# Altium PCB ARES_R06_Power.PcbDoc (part 2 of 4) (continued)
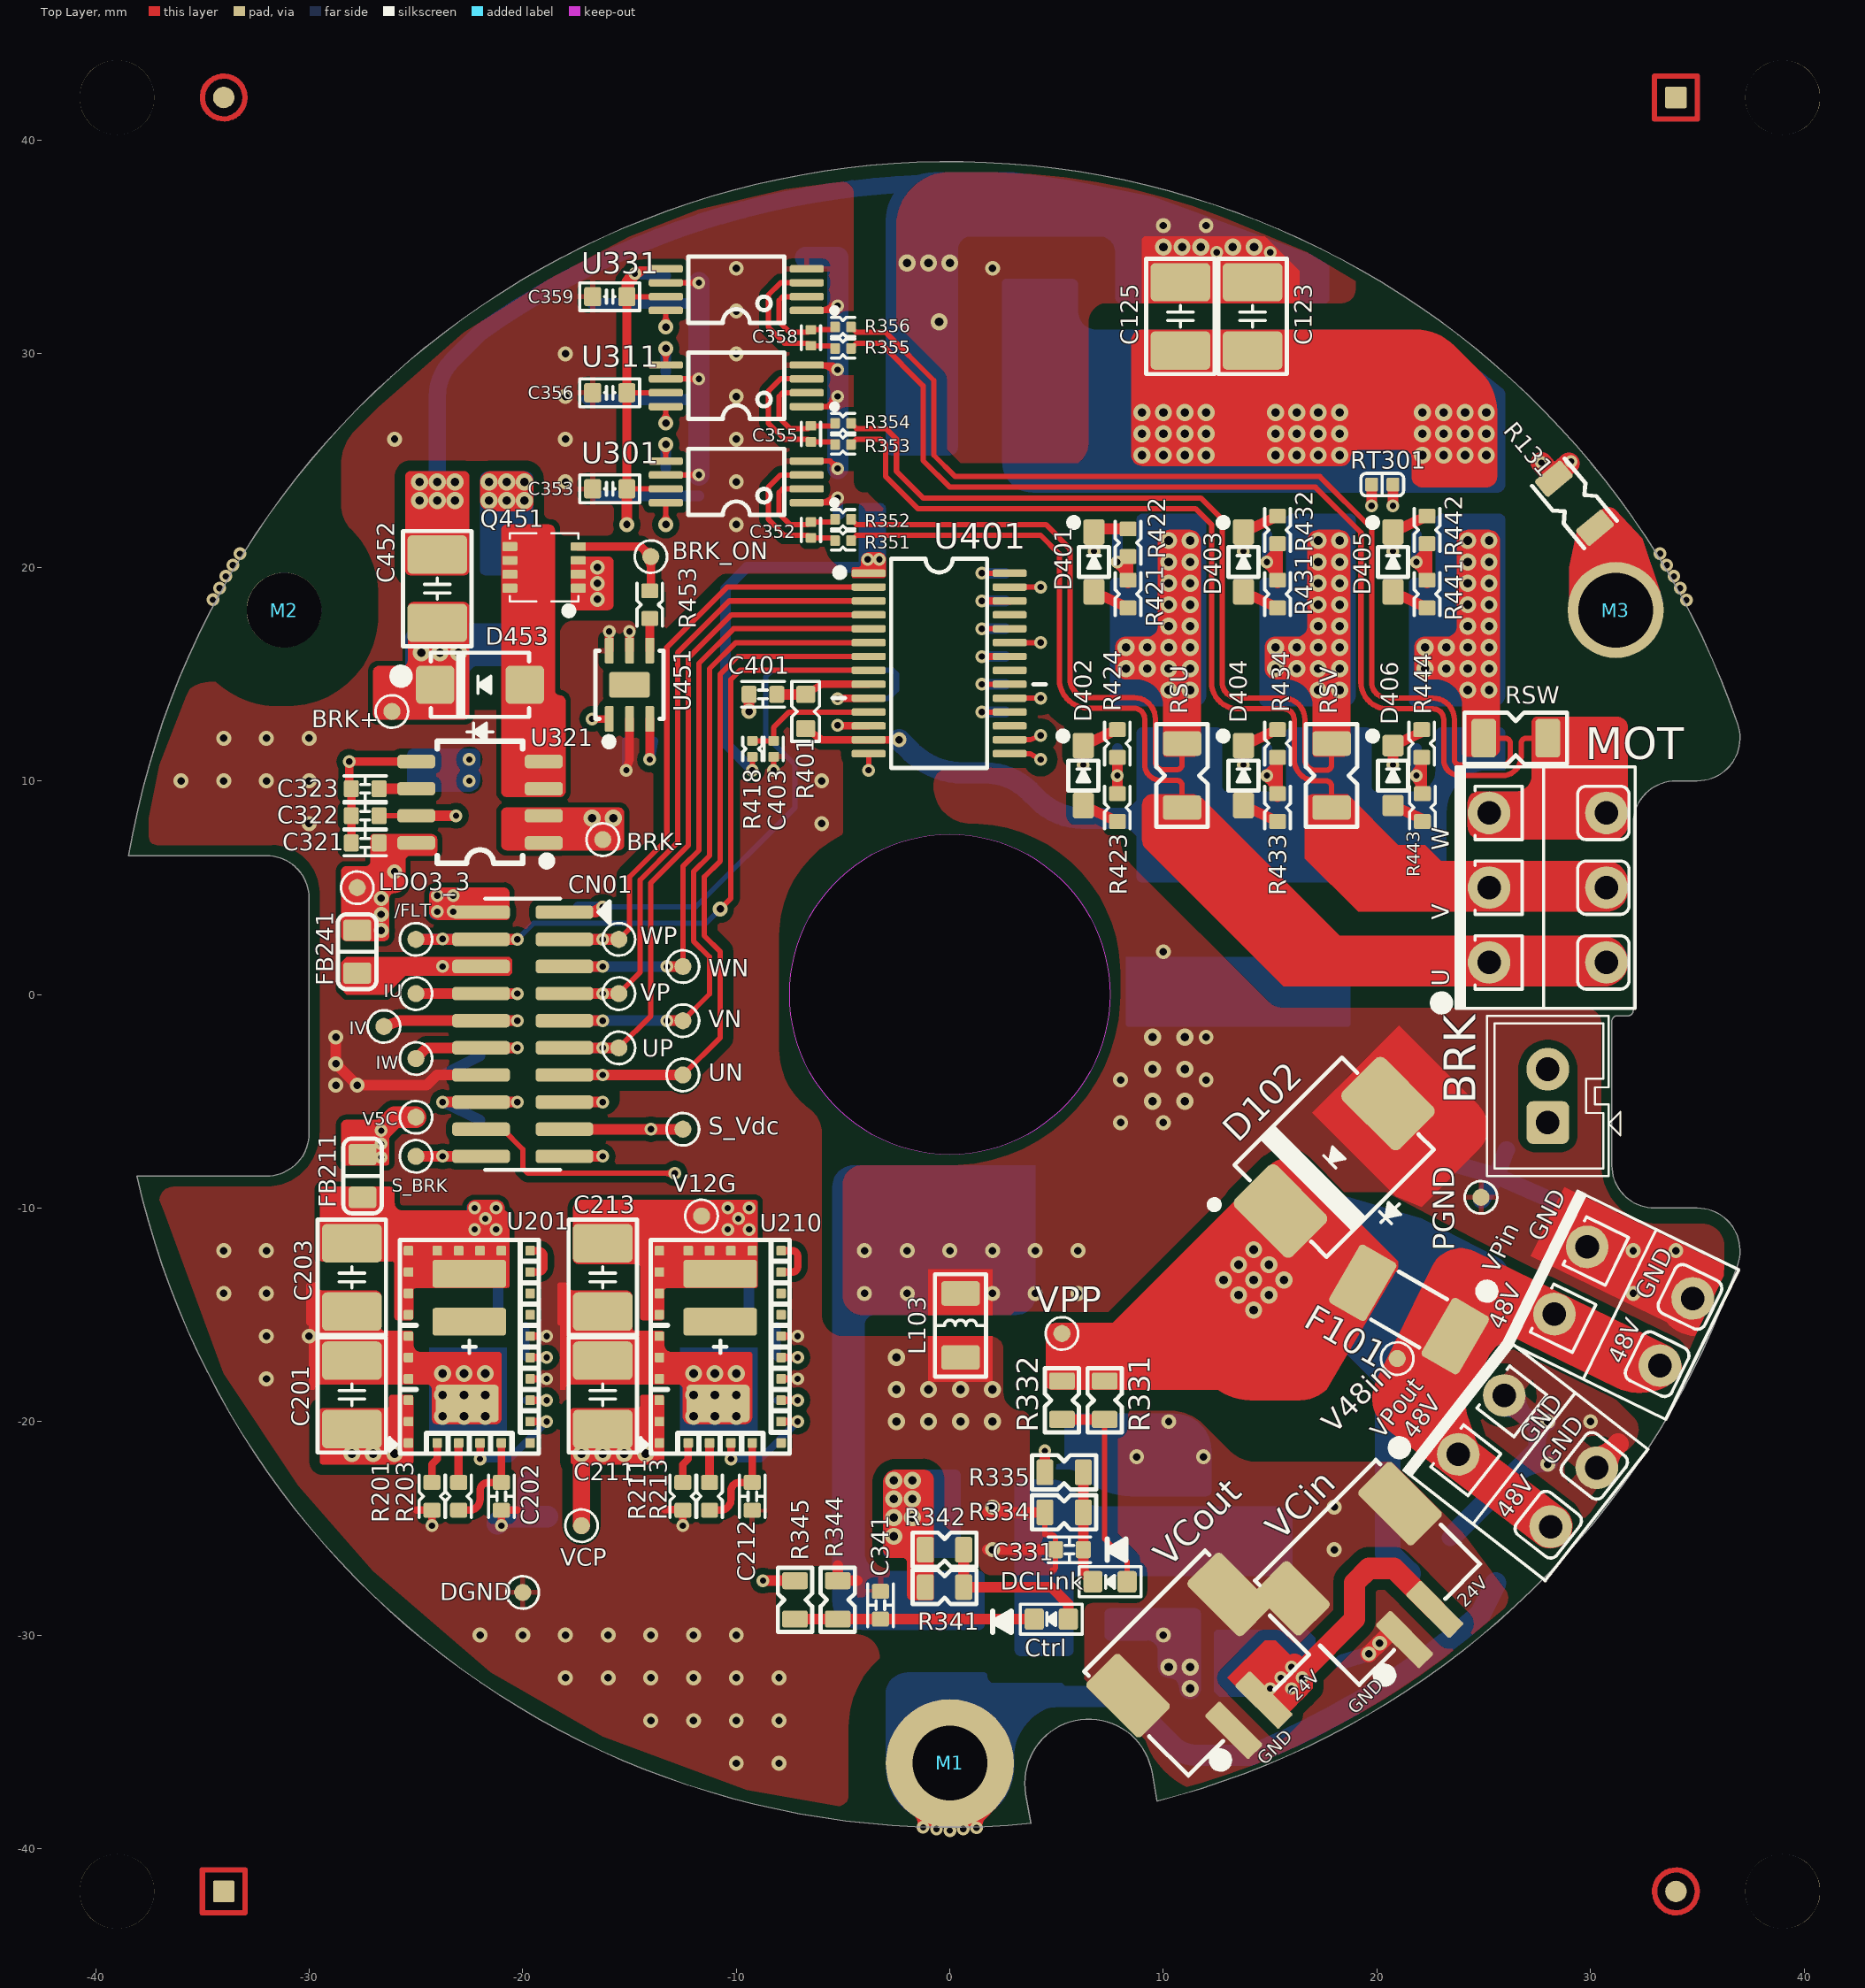
[diagram p0: Top Layer view]
## Nets (pads, with @x,y where several pads share a name; then routed paths per layer and width w, separated by ;. In a path a pad name is that pad's centre, name@x,y a point inside that pad or via, vN(x,y) a via of type N, cw(c..) or ccw(c..) an arc to the next point about the centre after c; other vN are vias at no path point) (continued)
  Mid Layer 2 w0.8: v6(-16.5,18.5) v6(-16.5,19.25) v6(-16.5,20)
  Mid Layer 3 w0.8: v6(-16.5,18.5) v6(-16.5,19.25) v6(-16.5,20)
  Mid Layer 4 w0.8: v6(-16.5,18.5) v6(-16.5,19.25) v6(-16.5,20)
  Bottom Layer w0.5: -0.7,27.5 v5@-0.7,34.5 ; R462.1@10.5,0.15 10.5,-0.5 16.5,-0.5 R461.1@16.5,0.15
  Bottom Layer w0.8: v1(-24,24) -24,28 cw(c-21.627,28) -23.305,29.678 -21.993,30.99 cw(c0,0) 6.925,37.364 ; v6(-16.5,18.5) v6(-16.5,19.25) v6(-16.5,20) ; 19.5,-6.25 21.25,-7.202 ; 22.049,-5.64 21.25,-7.202 ; C104.1@23.439,-25.439 C104.1@23.689,-25.189 ; 24.909,-9.627 C105.1@25.596,-8.503 ; VPout.2@25.96,-19.378 cw(c25.96,-20.826) 26.985,-19.802 cw(c28.009,-18.778) VPout.2@26.56,-18.778 ; VPout.2@25.96,-18.778 27.5,-20.318 27.5,-21.379 ; 26.059,-7.269 C105.1@25.596,-8.503 ; 26.689,-19.507 ccw(c28,-18.196) v2@28,-20.05 ; 27.5,-21.087 cw(c29.087,-21.087) v2@27.965,-19.965 ; 29,-10 C105.1@25.596,-8.503 ; 21.25,-7.202 21.451,-7.312 C105.1@25.596,-8.503
  Bottom Layer w1: C122.2@9.125,33.35 9.125,34.75 ; C121.2@12.5,33.35 v4(12.5,34.75) ; C121.2@12.5,33.431 cw(c14.819,33.431) v5@13.179,35.071 ; C121.2@12.5,34.209 cw(c13.406,34.209) v5@13.231,35.098 ; v4(15,34.75) 15,33.35 C124.2@15.875,33.35 ; C104.1@23.689,-25.189 27.5,-21.379 ; 26.342,-22.537 cw(c28,-24.195) v2@28,-21.85 ; v3(27.704,24.901) 28.25,24.25 v3@28.987,24.869
  other v1: 9.5,-5 11,-5 9.5,-3.5 11,-3.5 9.5,-2 11,-2 -24.825,23.125 -24,23.125 -23.175,23.125 -24.825,24 -23.175,24
  other v2: 28,-22 28,-20 30,-20 -4,-14 -2,-14 2,-14 4,-14 6,-14 32,-14 -4,-12 -2,-12 0,-12 2,-12 4,-12 6,-12 32,-12 34,-12 8,-6 10,-6 8,-4 12,-4 12,-2 10,2 2,34 10,36 12,36
  other v3: 29.093,24.957
  other v5: -0.5,31.5 -2,34.25 -1,34.25 0,34.25 10,35 10.875,35 11.75,35 13.25,35 14.25,35
PH_U: C421.2 Q421.1 Q422.5 R352.1 RSU.2 U401.18 | length 36.6
  Top Layer w0.25: R352.1@-4.625,22.25 -4.375,22 4.5,22 5.625,20.875 5.625,14.775 ccw(c6.5,14.775) 6.5,13.9 8.625,13.9 cw(c8.625,12.9) 9.625,12.9 9.625,10.875 ccw(c9.975,10.875) 9.975,10.525 10.625,10.525 ccw(c10.625,10.775) 10.875,10.775 RSU.2@10.875,11.775 ; v4(1.5,13.225) U401.18@2.8,13.225
  Mid Layer 3 w0.25: v4(1.5,13.225) 3.525,15.25 v1(8.25,15.25)
  Bottom Layer w0.5: v4(1.5,13.225) C421.2@2.6,13.225
  other v1: 10.25,14.25 11.25,14.25 9.25,15.25 10.25,15.25 11.25,15.25 8.25,16.25 9.25,16.25 10.25,16.25 11.25,16.25 10.25,17.25 11.25,17.25 10.25,18.25 11.25,18.25 10.25,19.25 11.25,19.25 10.25,20.25 11.25,20.25 10.25,21.25 11.25,21.25
PH_V: C431.1 Q431.1 Q432.5 R354.1 RSV.2 U401.22 | length 59.4
  Top Layer w0.25: R354.1@-4.625,26.75 -4.375,26.5 -3,26.5 -2.5,26 -2.5,24.5 -1.25,23.25 11.75,23.25 12.75,22.25 12.75,14.625 ccw(c13.5,14.625) 13.5,13.875 15.625,13.875 cw(c15.625,12.875) 16.625,12.875 16.625,11 ccw(c17.125,11) 17.125,10.5 17.625,10.5 ccw(c17.625,10.75) 17.875,10.75 RSV.2@17.875,11.75
  Top Layer w0.35: v4(1.5,15.825) U401.22@2.8,15.825
  Mid Layer 3 w0.25: v4(1.5,15.825) 3.425,17.75 4.5,17.75 5.5,18.75 5.5,21.625 6.625,22.75 14.75,22.75 16,21.5 16,21.25
  Bottom Layer w0.5: v4(1.5,15.825) C431.1@2.6,15.825
  other v1: 17.25,14.25 18.25,14.25 15.25,15.25 16.25,15.25 17.25,15.25 18.25,15.25 15.25,16.25 16.25,16.25 17.25,16.25 18.25,16.25 17.25,17.25 18.25,17.25 17.25,18.25 18.25,18.25 17.25,19.25 18.25,19.25 17.25,20.25 18.25,20.25 17.25,21.25 18.25,21.25
PH_W: C441.1 Q441.1 Q442.5 R356.1 RSW.2 U401.26 | length 78.5
  Top Layer w0.25: R356.1@-4.625,31.25 -4.375,31 -3,31 -0.75,28.75 -0.75,25.25 0.25,24.25 17.332,24.25 19.75,21.832 19.75,14.625 ccw(c20.5,14.625) 20.5,13.875 22.625,13.875 cw(c22.625,12.875) 23.625,12.875 23.625,11 ccw(c23.875,11) 23.875,10.75 25.875,10.75 ccw(c25.875,11.125) 26.25,11.125 26.25,11.75 ccw(c26,11.75) 26,12 RSW.2@25,12
  Top Layer w0.35: v4(1.5,18.425) U401.26@2.8,18.425
  Mid Layer 3 w0.25: v4(1.5,18.425) 2.5,19.425 2.5,21.875 4.5,23.875 21,23.875 22.5,22.375 22.5,22 23.125,21.375 23.125,21.125
  Bottom Layer w0.5: v4(1.5,18.425) C441.1@2.6,18.425
  other v1: 24.25,14.25 25.25,14.25 22.25,15.25 23.25,15.25 24.25,15.25 25.25,15.25 22.25,16.25 23.25,16.25 24.25,16.25 25.25,16.25 24.25,17.25 25.25,17.25 24.25,18.25 25.25,18.25 24.25,19.25 25.25,19.25 24.25,20.25 25.25,20.25 24.25,21.25 25.25,21.25
PWM_BRK: CN01.15 U451.1 | length 28
  Top Layer w0.35: v3(-16.75,12.9) U451.1@-15.95,12.9 ; v3@-16.662,12.812 cw(c-16.448,12.598) -16.448,12.9 cw(c-16.448,13.202) v3@-16.662,12.988
  Top Layer w0.5: CN01.15@-18.05,-5.04 v3(-16.25,-5.04)
  Mid Layer 1 w0.25: v3@-16.925,12.9 cw(c-17.347,12.9) -17.049,12.601 cw(c-16.75,12.303) v3@-16.75,12.725 ; v3(-16.75,12.9) -20.25,9.4 -20.25,6.125 -21.5,4.875 -21.5,-2.375 -20.625,-3.25 -18.04,-3.25 v3(-16.25,-5.04) ; v3@-16.425,-5.04 ccw(c-16.847,-5.04) -16.549,-4.741 ccw(c-16.25,-4.443) v3@-16.25,-4.865
PWM_EN: CN01.1 R411.1 U401.10 | length 33.4
  Top Layer w0.25: v3(-5.25,13.85) v3@-5.25,13.875
  Top Layer w0.35: v3@-5.25,13.875 U401.10@-3.8,13.875
  Top Layer w0.5: CN01.1@-18.05,3.85 -16.665,3.85 ; CN01.1@-16.974,3.85 ccw(c-16.974,4.824) v3@-16.285,4.135 ; v3@-16.297,4.116 cw(c-16.665,4.237) -16.665,3.85 ; v3(-16.25,4.1) -16.665,3.85
  Bottom Layer w0.25: v3(-16.25,4.1) -11.9,4.1 -7.25,8.75 -7.25,10.75 -8.625,12.125 -8.625,14.875 -8.325,15.175 -2.675,15.175 -2.5,15 -2.5,14.25 -2.9,13.85 v3(-5.25,13.85)
  Bottom Layer w0.5: R411.1@-17.4,4.1 v3(-16.25,4.1)
PWM_UN: CN01.13 R413.2 U401.7 UN.1 | length 34.1
  Top Layer w0.25: UN.1@-12.5,-3.77 -10.75,-2.02 -10.75,2 -11.5,2.75 -11.5,5.5 -10.75,6.25 -10.75,15 -9.925,15.825 U401.7@-3.8,15.825
  Top Layer w0.5: CN01.13@-18.05,-3.77 v3(-16.25,-3.77) UN.1@-12.5,-3.77
  Bottom Layer w0.5: R413.2@-17.4,-3.77 v3(-16.25,-3.77)
PWM_UNout: D402.2 R424.2 U401.14 | length 21.4
  Top Layer w0.25: v4(-3.8,10.5) U401.14@-3.8,11.275
  Top Layer w0.5: v3(6.25,10.75) D402.2@6.25,11.65 R424.2@7.845,12.4
  Mid Layer 2 w0.25: v4(-3.8,10.5) -2.85,9.55 -2.675,9.375 0.9,9.375 ccw(c0.9,9.625) 1.15,9.625 1.15,9.825 cw(c1.4,9.825) 1.4,10.075 cw(c1.4,9.825) 1.65,9.825 1.65,9.375 1.65,8.925 ccw(c1.9,8.925) 1.9,8.675 ccw(c1.9,8.925) 2.15,8.925 2.15,9.375 2.15,9.825 cw(c2.4,9.825) 2.4,10.075 cw(c2.4,9.825) 2.65,9.825 2.65,9.375 2.65,8.925 ccw(c2.9,8.925) 2.9,8.675 ccw(c2.9,8.925) 3.15,8.925 3.15,9.375 3.15,9.825 cw(c3.4,9.825) 3.4,10.075 cw(c3.4,9.825) 3.65,9.825 3.65,9.375 3.65,8.925 ccw(c3.9,8.925) 3.9,8.675 ccw(c3.9,8.925) 4.15,8.925 4.15,9.125 cw(c4.4,9.125) 4.4,9.375 4.875,9.375 v3(6.25,10.75)
PWM_UP: CN01.11 R412.2 U401.4 UP.1 | length 32.6
  Top Layer w0.25: UP.1@-15.5,-2.5 -14,-1 -14,5.227 -12.25,6.977 -12.25,15.75 -10.225,17.775 U401.4@-3.8,17.775
  Top Layer w0.5: CN01.11@-18.05,-2.5 v3(-16.25,-2.5) UP.1@-15.5,-2.5
  Bottom Layer w0.5: R412.2@-17.4,-2.5 v3(-16.25,-2.5)
PWM_UPout: D401.2 R422.2 U401.19 | length 21.5
  Top Layer w0.25: U401.19@2.8,13.875 v4(4.25,13.875)
  Top Layer w0.5: v3(6.75,20.75) D401.2@6.75,21.65 6.9,21.8 R422.2@8.345,21.8
  Mid Layer 2 w0.25: v4(4.25,13.875) 4.863,14.487 5.305,14.93 cw(c5.482,14.754) 5.659,14.93 6.005,14.584 ccw(c6.182,14.761) 6.359,14.584 ccw(c6.182,14.761) 6.359,14.938 6.013,15.284 cw(c6.189,15.461) 6.013,15.637 6.75,16.375 6.75,17.45 cw(c6.85,17.45) 6.85,17.55 8.6,17.55 ccw(c8.6,17.8) 8.85,17.8 ccw(c8.6,17.8) 8.6,18.05 6.75,18.05 cw(c6.75,18.2) 6.6,18.2 6.6,18.4 cw(c6.75,18.4) 6.75,18.55 8.6,18.55 ccw(c8.6,18.8) 8.85,18.8 ccw(c8.6,18.8) 8.6,19.05 7,19.05 cw(c7,19.3) 6.75,19.3 v3(6.75,20.75)
PWM_VN: CN01.9 R415.2 U401.6 VN.1 | length 32.3
  Top Layer w0.25: VN.1@-12.5,-1.23 -11.25,0.02 -11.25,1.75 -12,2.5 -12,5.75 -11.25,6.5 -11.25,15.25 -10.025,16.475 U401.6@-3.8,16.475
  Top Layer w0.5: CN01.9@-18.05,-1.23 v3(-16.25,-1.23) ; v3(-13.25,-1.23) VN.1@-12.5,-1.23
  Bottom Layer w0.5: R415.2@-17.4,-1.23 v3(-16.25,-1.23) v3(-13.25,-1.23)
PWM_VNout: D404.2 R434.2 U401.15 | length 21.5
  Top Layer w0.25: U401.15@2.8,11.275 3.75,11.275 v4(4.25,11)
  Top Layer w0.5: v3(13.75,10.75) D404.2@13.75,11.65 R434.2@15.345,12.4
  Mid Layer 2 w0.25: v4(4.25,11) 5,11.75 8.95,11.75 9.2,11.75 9.45,11.75 cw(c9.45,11.5) 9.7,11.5 9.7,10.022 ccw(c9.95,10.022) 9.95,9.772 ccw(c9.95,10.022) 10.2,10.022 10.2,11.5 cw(c10.45,11.5) 10.45,11.75 cw(c10.45,11.5) 10.7,11.5 10.7,10.022 ccw(c10.95,10.022) 10.95,9.772 ccw(c10.95,10.022) 11.2,10.022 11.2,11.5 cw(c11.45,11.5) 11.45,11.75 11.65,11.75 12.75,11.75 v3(13.75,10.75)
PWM_VP: CN01.7 R414.2 U401.3 VP.1 | length 30.8
  Top Layer w0.25: VP.1@-15.5,0.04 -14.5,1.04 -14.5,5.364 -12.75,7.114 -12.75,16 -10.325,18.425 U401.3@-3.8,18.425
  Top Layer w0.5: CN01.7@-18.05,0.04 v3(-16.25,0.04) VP.1@-15.5,0.04
  Bottom Layer w0.5: R414.2@-17.4,0.04 v3(-16.25,0.04)
PWM_VPout: D403.2 R432.2 U401.23 | length 21.5
  Top Layer w0.25: U401.23@2.8,16.475 v4(4.25,16.475)
  Top Layer w0.5: v3(13.75,20.75) D403.2@13.75,21.65 R432.2@15.345,22.4
  Mid Layer 2 w0.25: v4(4.25,16.475) 5.5,17.725 5.5,21.5 6.5,22.5 7.95,22.5 cw(c7.95,22.25) 8.2,22.25 8.2,21.328 ccw(c8.45,21.328) 8.45,21.078 ccw(c8.45,21.328) 8.7,21.328 8.7,22.25 cw(c8.95,22.25) 8.95,22.5 12,22.5 v3(13.75,20.75)
PWM_WN: CN01.5 R417.1 U401.5 WN.1 | length 29.8
  Top Layer w0.25: WN.1@-12.5,1.31 -12.5,6 -11.75,6.75 -11.75,15.5 -10.125,17.125 U401.5@-3.8,17.125
  Top Layer w0.5: CN01.5@-18.05,1.31 v3(-16.25,1.31) ; v3(-13.25,1.31) WN.1@-12.5,1.31
  Bottom Layer w0.5: R417.1@-17.4,1.31 v3(-16.25,1.31) v3(-13.25,1.31)
PWM_WNout: D406.2 R444.2 U401.16 | length 21.5
  Top Layer w0.25: U401.16@2.8,11.925 3.75,11.925 v4(4.25,12.125)
  Top Layer w0.5: v3(20.75,10.75) D406.2@20.75,11.65 R444.2@22.14,12.304
  Mid Layer 2 w0.25: v4(4.25,12.125) 4.875,12.75 18.75,12.75 v3(20.75,10.75)
PWM_WP: CN01.3 R416.1 U401.2 WP.1 | length 28.9
  Top Layer w0.25: WP.1@-15.5,2.58 -15,3.08 -15,5.5 -13.25,7.25 -13.25,16.25 -10.425,19.075 U401.2@-3.8,19.075
  Top Layer w0.5: CN01.3@-18.05,2.58 v3(-16.25,2.58) WP.1@-15.5,2.58
  Bottom Layer w0.5: R416.1@-17.4,2.58 v3(-16.25,2.58)
PWM_WPout: D405.2 R442.2 U401.27 | length 24.7
  Top Layer w0.25: U401.27@2.8,19.075 v4(4.25,19.075)
  Top Layer w0.5: v3(20.75,20.75) D405.2@20.75,21.65 R442.2@22.345,22.4
  Mid Layer 2 w0.25: v4(4.25,19.075) 4.25,21.4 6.1,23.25 18,23.25 20,21.25 v3(20.75,20.75)
RCIN: C403.2 R418.1 U401.11 | length 6.4
  Top Layer w0.25: R418.1@-9.25,11.875 C403.2@-8.25,11.875 -8.25,12.5 -7.525,13.225 U401.11@-3.8,13.225
V3_3D: CN01.6 FB241.1 R402.1 | length 6.7
  Top Layer w0.5: FB241.1@-27.75,1 -25.81,1 -25.5,1.31 v3(-23.75,1.31) CN01.6@-21.95,1.31
  Bottom Layer w0.5: R402.1@-24.5,1.305 v3(-23.75,1.31)
V24C: C201.2 C211.2 D103.2 R341.1 R342.1 U201.1 U201.27 U201.28 U210.1 U210.27 U210.28 VCP.1 | length 5.4
  Top Layer w0.8: VCP.1@-17.25,-24.875 v5(-17.25,-21.5)
  Mid Layer 2 w0.8: v5(-28,-21.5) v5(-27,-21.5) v5(-26,-21.5)
  other v1: -2.625,-25.375 -2.625,-24.5 -1.75,-24.5 -2.625,-23.625 -1.75,-23.625 -2.625,-22.75 -1.75,-22.75
  other v5: -16.25,-21.5 -15.25,-21.5 -14.25,-21.5
V24in: F111.1 VCin.2 VCout.2 | length 14
  Top Layer w1: v3@16,-31.7 ccw(c16,-30.493) 16.854,-31.346 ; v3@16.094,-32.676 ccw(c15.733,-32) v3(16.5,-32) 16.5,-31.7 18.95,-29.25 18.95,-27.55 19.625,-26.875 20.789,-26.875 VCin.2@22.707,-28.793 ; v3@16.139,-31.356 cw(c15.317,-32.207) v3@16.5,-32.207 ; v3@16.141,-32.641 ccw(c15.276,-31.776) v3@16.5,-31.776
  other v3: 15,-32.5 16,-32.5 15.5,-32 16,-31.5
V48in: F101.1 V48in.1 VPin.1 VPout.1 | length 2.3
  Top Layer w0.8: V48in.1@20.95,-17.05 22.95,-18.1
V48P: C103.2 C105.2 C121.1 C122.1 C123.1 C124.1 C125.1 C453.1 C454.1 D102.2 D451.1 F101.2 Q421.5 Q431.5 Q441.5 R331.1 R332.1 VPP.1 | length 60.2
  Mid Layer 2 w0.8: v1(-20.75,23.125) -20.75,29.81 cw(c-18.21,29.81) -20.006,31.606 -18.318,33.294 cw(c0,0) 6.925,37.364 cw(c6.25,35.75) 8,35.75 8,29.664 ccw(c11.414,29.664) v1(9,27.25)
  Bottom Layer w0.8: 20.5,-16 20.975,-15.525
  Bottom Layer w1.2: 20.5,-16 20.5,-26.175 C103.2@21.448,-27.123
  other v1: -21.575,23.125 -19.925,23.125 -21.575,24 -20.75,24 -19.925,24 9,25.25 10,25.25 11,25.25 12,25.25 15.25,25.25 16.25,25.25 17.25,25.25 18.25,25.25 22.125,25.25 23.125,25.25 24.125,25.25 25.125,25.25 9,26.25 10,26.25 11,26.25 12,26.25 15.25,26.25 16.25,26.25 17.25,26.25 18.25,26.25 22.125,26.25 23.125,26.25 24.125,26.25 25.125,26.25 10,27.25 11,27.25 12,27.25 15.25,27.25 16.25,27.25 17.25,27.25 18.25,27.25 22.125,27.25 23.125,27.25 24.125,27.25 25.125,27.25
  other v5: 14.23,-14.78 13.523,-14.073 14.937,-14.073 12.816,-13.366 14.23,-13.366 15.644,-13.366 13.523,-12.659 14.937,-12.659 14.23,-11.952
pads on no net: M2.1 U451.7
copper on no net: | length 57.1
  Top Layer w0.25: -35,-43 -35,-41 -33,-41 -33,-43 -35,-43 ; -33,42 ccw(c-34,42) -33,42 ; 33,41 33,43 35,43 35,41 33,41 ; 35,-42 ccw(c34,-42) 35,-42
  Bottom Layer w0.25: -35,-43 -35,-41 -33,-41 -33,-43 -35,-43 ; -33,42 ccw(c-34,42) -33,42 ; 33,41 35,41 35,43 33,43 33,41 ; 35,-42 ccw(c34,-42) 35,-42
  other v4: 34.487,18.467 -34.508,18.48 -34.196,19.021 34.196,19.021 -33.905,19.575 33.905,19.575 -33.571,20.104 33.571,20.104 -33.237,20.633 33.258,20.645

## Polygon pours and split planes (outlines as drawn)
PGND on Mid Layer 4 "Mid4 Layer - PGND" (solid, remove dead copper, pour order 112): -5,-8.875 -5,-14.125 ccw(c-4.125,-14.125) -4.125,-15 2.875,-15 cw(c2.875,-15.682) 3.557,-15.682 3.557,-18.182 ccw(c3.875,-18.182) 3.875,-18.5 11.325,-18.5 cw(c11.325,-20.13) 12.477,-18.977 13.758,-20.258 ccw(c14.342,-19.674) 14.342,-20.5 18.143,-20.5 cw(c18.143,-24.987) 21.25,-21.75 26.75,-26.25 ccw(c27.372,-25.49) 28.066,-26.184 30,-24.25 33.75,-18.75 36.25,-12.75 36.25,-11.75 ccw(c35.25,-11.75) 35.25,-10.75 33.25,-10.75 cw(c33.25,-8) 30.5,-8 30.5,12.5 ccw(c29.75,12.5) 29.75,13.25 cw(c29.75,16.5) 26.5,16.5 26.5,27.043 ccw(c24.796,27.044) 26,28.25 21.75,31.75 16.75,34.75 13.519,36.096 ccw(c1.501,7.257) 1.5,38.5 0,38.5 ccw(c0,36) -2.5,36 -2.5,26.5 ccw(c-1.75,26.5) -1.75,25.75 -1.249,25.75 cw(c-1.249,25.251) -0.75,25.251 -0.75,9.75 ccw(c1,9.75) 1,8 cw(c1.001,1.001) 8,1 8,0 cw(c0.001,-0.001) 0,-8 -4.125,-8 ccw(c-4.125,-8.875)
V48P on Mid Layer 4 "Mid4 Layer - V48P" (solid, remove dead copper, pour order 38): 14.875,-16 19.396,-16 ccw(c19.396,-13.939) 20.854,-15.396 25.256,-10.994 ccw(c24.064,-9.802) 25.75,-9.801 25.75,6.396 cw(c26.604,6.396) 26,7 ccw(c24.794,8.207) 26.5,8.207 26.5,24.682 ccw(c22.182,24.682) 22.182,29 8,29 ccw(c7.999,28.501) 7.5,28.5 7.5,25.552 cw(c5.566,25.551) 6.933,24.183 5.89,23.14 ccw(c7.435,21.595) 5.25,21.595 5.25,12.5 ccw(c6.5,12.5) 6.5,11.25 cw(c6.5,4.5) 13.25,4.5 13.25,-4.75 cw(c12.043,-4.75) 12.896,-5.604 12.677,-5.823 ccw(c13.707,-6.854) 12.25,-6.854 12.25,-13.323 ccw(c12.677,-13.323) 12.375,-13.625 14.662,-15.912 ccw(c14.875,-15.698)
DGND on Mid Layer 4 "Mid4 Layer - DGND" (solid, remove dead copper, pour order 114): -5,-16 1.875,-16 cw(c1.875,-16.625) 2.5,-16.625 2.5,-18.625 ccw(c3.375,-18.625) 3.375,-19.5 10.325,-19.5 cw(c10.325,-21.685) 11.87,-20.14 13.112,-21.382 ccw(c14.321,-20.174) 14.321,-21.883 18.533,-21.883 cw(c18.533,-24.833) 20.28,-22.456 21.889,-23.638 25.598,-27.328 26.001,-27.869 cw(c25.454,-28.276) 25.89,-28.799 23.267,-30.983 cw(c-0.787,1.073) 16.34,-35.16 cw(c2.463,-5.808) 11.088,-37.108 cw(c12.768,-33.689) 9.159,-34.909 4.25,-30 -0.432,-30 ccw(c-0.433,-34.317) -4.75,-34.318 -4.75,-37.5 cw(c-5.249,-37.501) -5.25,-38 -9.5,-37.25 -16.25,-34.75 -21.5,-31.75 -27,-27 -30.5,-23 -34,-17.75 -36.75,-10.25 -37.25,-9 -32,-9 ccw(c-32,-6.5) -29.5,-6.5 -29.5,4.75 ccw(c-31.749,4.751) -31.75,7 -37.75,7 -37,10.75 -35.75,14 -35,15.25 -34.515,14.765 ccw(c-31.461,17.818) -31.461,13.5 -31,13.5 ccw(c-31,17.75) -26.75,17.75 -26.75,18.732 ccw(c-31.014,18.734) -28,21.75 cw(c-26.792,22.957) -28.5,22.957 -28.5,24.75 cw(c-26.086,24.75) -27.793,26.457 -26.75,27.5 -22.75,31 -18.75,33.5 -15,35.5 -11.75,36.75 -7.678,37.708 -5.5,38 -5.128,38.05 cw(c-5.055,37.5) -4.5,37.5 -4.5,34 -4.5,24 ccw(c-4,24) -4,23.5 -3.25,23.5 cw(c-3.25,23) -2.75,23 -2.75,9 cw(c-3.844,8.999) -3.656,7.921 ccw(c-2.751,2.751) -8,2.75 -8,-2.586 ccw(c-4.586,-2.586) -6.586,-5.353 cw(c-7.413,-6.499) -6,-6.5 -6,-15 ccw(c-5,-15)
PGND on Mid Layer 2 "Mid2 Layer - PGND" (solid, remove dead copper, pour order 116): -5,-8.875 -5,-14.125 ccw(c-4.125,-14.125) -4.125,-15 2.875,-15 cw(c2.875,-15.682) 3.557,-15.682 3.557,-18.182 ccw(c3.875,-18.182) 3.875,-18.5 11.325,-18.5 cw(c11.325,-20.13) 12.477,-18.977 13.758,-20.258 ccw(c14.342,-19.674) 14.342,-20.5 18.143,-20.5 cw(c18.143,-24.987) 21.25,-21.75 26.75,-26.25 ccw(c27.372,-25.49) 28.066,-26.184 30,-24.25 33.75,-18.75 36.25,-12.75 36.25,-11.75 ccw(c35.25,-11.75) 35.25,-10.75 33.25,-10.75 cw(c33.25,-8) 30.5,-8 30.5,12.5 ccw(c29.75,12.5) 29.75,13.25 cw(c29.75,16.5) 26.5,16.5 26.5,27.043 ccw(c24.796,27.044) 26,28.25 21.75,31.75 16.75,34.75 13.519,36.096 ccw(c1.501,7.257) 1.5,38.5 0,38.5 ccw(c0,36) -2.5,36 -2.5,26.5 ccw(c-1.75,26.5) -1.75,25.75 -1.249,25.75 cw(c-1.249,25.251) -0.75,25.251 -0.75,9.75 ccw(c1,9.75) 1,8 cw(c1.001,1.001) 8,1 8,0 cw(c0.001,-0.001) 0,-8 -4.125,-8 ccw(c-4.125,-8.875)
V24C on Mid Layer 2 "Mid2 Layer - V24C" (solid, remove dead copper, pour order 42): -1.25,-27.125 -1.25,-23.75 -1.25,-22.75 ccw(c-1.75,-22.75) -1.75,-22.25 -5,-22.25 ccw(c-5,-22.75) -5.5,-22.75 -5.5,-23.25 cw(c-6,-23.25) -6,-23.75 -9.5,-23.75 cw(c-9.5,-21.75) -11.5,-21.75 -11.5,-21.375 ccw(c-11.875,-21.375) -11.875,-21 -28.25,-21 ccw(c-28.25,-21.25) -28.5,-21.25 -28.5,-22.396 ccw(c-27.646,-22.396) -28.25,-23 -24.405,-26.845 ccw(c-22.22,-24.659) -22.22,-27.75 -1.875,-27.75 ccw(c-1.875,-27.125)
DGND on Mid Layer 2 "Mid2 Layer - DGND" (solid, remove dead copper, pour order 122): -5,-16 1.875,-16 cw(c1.875,-16.625) 2.5,-16.625 2.5,-18.625 ccw(c3.375,-18.625) 3.375,-19.5 10.325,-19.5 cw(c10.325,-21.685) 11.87,-20.14 13.112,-21.382 ccw(c14.321,-20.174) 14.321,-21.883 18.533,-21.883 cw(c18.533,-24.833) 20.28,-22.456 21.889,-23.638 25.598,-27.328 26.001,-27.869 cw(c25.454,-28.276) 25.89,-28.799 23.267,-30.983 cw(c-0.787,1.074) 16.34,-35.16 cw(c2.463,-5.807) 11.088,-37.108 cw(c12.768,-33.689) 9.159,-34.909 4.25,-30 -0.432,-30 ccw(c-0.433,-34.317) -4.75,-34.318 -4.75,-37.5 cw(c-5.249,-37.501) -5.25,-38 -9.5,-37.25 -16.25,-34.75 -21.5,-31.75 -27,-27 -30.5,-23 -34,-17.75 -36.75,-10.25 -37.25,-9 -32,-9 ccw(c-32,-6.5) -29.5,-6.5 -29.5,4.75 ccw(c-31.749,4.751) -31.75,7 -37.75,7 -37,10.75 -35.75,14 -35,15.25 -34.515,14.765 ccw(c-31.461,17.818) -31.461,13.5 -31,13.5 ccw(c-31,17.75) -26.75,17.75 -26.75,18.732 ccw(c-31.014,18.734) -28,21.75 cw(c-26.792,22.957) -28.5,22.957 -28.5,24.75 cw(c-26.086,24.75) -27.793,26.457 -26.75,27.5 -22.75,31 -18.75,33.5 -15,35.5 -11.75,36.75 -7.678,37.708 -5.5,38 -5.128,38.05 cw(c-5.055,37.5) -4.5,37.5 -4.5,34 -4.5,24 ccw(c-4,24) -4,23.5 -3.25,23.5 cw(c-3.25,23) -2.75,23 -2.75,9 cw(c-3.844,8.999) -3.656,7.921 ccw(c-2.751,2.751) -8,2.75 -8,-2.586 ccw(c-4.586,-2.586) -6.586,-5.353 cw(c-7.413,-6.499) -6,-6.5 -6,-15 ccw(c-5,-15)
PGND on Top Layer "Top Layer - PGND" (solid, remove dead copper, pour order 102): -5,-8.875 -5,-14.125 ccw(c-4.125,-14.125) -4.125,-15 2.875,-15 cw(c2.875,-15.682) 3.557,-15.682 3.557,-18.182 ccw(c3.875,-18.182) 3.875,-18.5 11.325,-18.5 cw(c11.325,-20.13) 12.477,-18.977 13.758,-20.258 ccw(c14.342,-19.674) 14.342,-20.5 18.5,-20.5 19.948,-20.5 21.25,-21.75 26.75,-26.25 ccw(c27.372,-25.49) 28.066,-26.184 30,-24.25 33.75,-18.75 36.25,-12.75 36.25,-11.75 ccw(c35.25,-11.75) 35.25,-10.75 33.25,-10.75 cw(c33.25,-8) 30.5,-8 30.5,12.5 ccw(c29.75,12.5) 29.75,13.25 cw(c29.75,16.5) 26.5,16.5 26.5,27.043 ccw(c24.796,27.044) 26,28.25 21.75,31.75 16.75,34.75 13.519,36.096 ccw(c1.501,7.257) 1.5,38.5 0,38.5 ccw(c0,36) -2.5,36 -2.5,26.5 ccw(c-1.75,26.5) -1.75,25.75 -0.75,25.75 -0.75,9.75 ccw(c1,9.75) 1,8 cw(c1.001,1.001) 8,1 8,0 cw(c0.001,-0.001) 0,-8 -4.125,-8 ccw(c-4.125,-8.875)
DGND on Top Layer "Top Layer - DGND" (solid, remove dead copper, pour order 58): -5,-16 1.875,-16 cw(c1.875,-16.625) 2.5,-16.625 2.5,-18.625 ccw(c3.375,-18.625) 3.375,-19.5 10.325,-19.5 cw(c10.325,-21.685) 11.87,-20.14 13.112,-21.382 ccw(c14.321,-20.174) 14.321,-21.883 20.532,-21.883 cw(c20.533,-22.282) 20.815,-22 24.02,-25.205 26.001,-27.869 cw(c25.454,-28.276) 25.89,-28.799 23.267,-30.983 cw(c-0.787,1.075) 16.34,-35.16 cw(c2.463,-5.806) 11.088,-37.108 cw(c12.768,-33.69) 9.159,-34.909 4.25,-30 -0.432,-30 ccw(c-0.433,-34.317) -4.75,-34.318 -4.75,-37.5 cw(c-5.249,-37.501) -5.25,-38 -9.5,-37.25 -16.25,-34.75 -21.5,-31.75 -27,-27 -30.5,-23 -34,-17.75 -36.75,-10.25 -37.25,-9 -32,-9 ccw(c-32,-6.5) -29.5,-6.5 -29.5,4.75 ccw(c-31.749,4.75) -31.75,7 -37.75,7 -37,10.75 -35.75,14 -35,15.25 -34.515,14.765 ccw(c-31.461,17.818) -31.461,13.5 -31,13.5 ccw(c-31,17.75) -26.75,17.75 -26.75,18.732 ccw(c-31.015,18.734) -28,21.75 cw(c-26.792,22.957) -28.5,22.957 -28.5,24.75 cw(c-26.086,24.75) -27.793,26.457 -26.75,27.5 -22.75,31 -18.75,33.5 -15,35.5 -11.75,36.75 -7.678,37.708 -5.5,38 -5.128,38.05 cw(c-5.055,37.5) -4.5,37.5 -4.5,34 -4.5,24 ccw(c-4,24) -4,23.5 -3.25,23.5 cw(c-3.25,23) -2.75,23 -2.75,9 cw(c-3.844,8.999) -3.656,7.921 ccw(c-2.751,2.751) -8,2.75 -8,-2.586 ccw(c-4.586,-2.586) -6.586,-5.353 cw(c-7.413,-6.499) -6,-6.5 -6,-15 ccw(c-5,-15)
PGND on Mid Layer 1 "Mid1 Layer - PGND" (solid, remove dead copper, pour order 128): -5,-8.875 -5,-14.125 ccw(c-4.125,-14.125) -4.125,-15 2.875,-15 cw(c2.875,-15.682) 3.557,-15.682 3.557,-18.182 ccw(c3.875,-18.182) 3.875,-18.5 11.325,-18.5 cw(c11.325,-20.13) 12.477,-18.977 13.758,-20.258 ccw(c14.342,-19.674) 14.342,-20.5 18.143,-20.5 cw(c18.143,-24.987) 21.25,-21.75 26.75,-26.25 ccw(c27.372,-25.49) 28.066,-26.184 30,-24.25 33.75,-18.75 36.25,-12.75 36.25,-11.75 ccw(c35.25,-11.75) 35.25,-10.75 33.25,-10.75 cw(c33.25,-8) 30.5,-8 30.5,12.5 ccw(c29.75,12.5) 29.75,13.25 cw(c29.75,16.5) 26.5,16.5 26.5,27.043 ccw(c24.796,27.044) 26,28.25 21.75,31.75 16.75,34.75 13.519,36.096 ccw(c1.501,7.257) 1.5,38.5 0,38.5 ccw(c0,36) -2.5,36 -2.5,26.5 ccw(c-1.75,26.5) -1.75,25.75 -1.249,25.75 cw(c-1.249,25.251) -0.75,25.251 -0.75,9.75 ccw(c1,9.75) 1,8 cw(c1.001,1.001) 8,1 8,0 cw(c0.001,-0.001) 0,-8 -4.125,-8 ccw(c-4.125,-8.875)
DGND on Mid Layer 1 "Mid1 Layer - DGND" (solid, remove dead copper, pour order 126): -5,-16 1.875,-16 cw(c1.875,-16.625) 2.5,-16.625 2.5,-18.625 ccw(c3.375,-18.625) 3.375,-19.5 10.325,-19.5 cw(c10.325,-21.685) 11.87,-20.14 13.112,-21.382 ccw(c14.321,-20.174) 14.321,-21.883 18.533,-21.883 cw(c18.533,-24.833) 20.28,-22.456 21.889,-23.638 25.598,-27.328 26.001,-27.869 cw(c25.454,-28.276) 25.89,-28.799 23.267,-30.983 cw(c-0.787,1.074) 16.34,-35.16 cw(c2.463,-5.807) 11.088,-37.108 cw(c12.768,-33.689) 9.159,-34.909 4.25,-30 -0.432,-30 ccw(c-0.433,-34.317) -4.75,-34.318 -4.75,-37.5 cw(c-5.249,-37.501) -5.25,-38 -9.5,-37.25 -16.25,-34.75 -21.5,-31.75 -27,-27 -30.5,-23 -34,-17.75 -36.75,-10.25 -37.25,-9 -32,-9 ccw(c-32,-6.5) -29.5,-6.5 -29.5,4.75 ccw(c-31.749,4.751) -31.75,7 -37.75,7 -37,10.75 -35.75,14 -35,15.25 -34.515,14.765 ccw(c-31.461,17.818) -31.461,13.5 -31,13.5 ccw(c-31,17.75) -26.75,17.75 -26.75,18.732 ccw(c-31.014,18.734) -28,21.75 cw(c-26.792,22.957) -28.5,22.957 -28.5,24.75 cw(c-26.086,24.75) -27.793,26.457 -26.75,27.5 -22.75,31 -18.75,33.5 -15,35.5 -11.75,36.75 -7.678,37.708 -5.5,38 -5.128,38.05 cw(c-5.055,37.5) -4.5,37.5 -4.5,34 -4.5,24 ccw(c-4,24) -4,23.5 -3.25,23.5 cw(c-3.25,23) -2.75,23 -2.75,9 cw(c-3.844,8.999) -3.656,7.921 ccw(c-2.751,2.751) -8,2.75 -8,-2.586 ccw(c-4.586,-2.586) -6.586,-5.353 cw(c-7.413,-6.499) -6,-6.5 -6,-15 ccw(c-5,-15)
PGND on Mid Layer 3 "Mid3 Layer - PGND" (solid, remove dead copper, pour order 124): -5,-8.875 -5,-14.125 ccw(c-4.125,-14.125) -4.125,-15 2.875,-15 cw(c2.875,-15.682) 3.557,-15.682 3.557,-18.182 ccw(c3.875,-18.182) 3.875,-18.5 11.325,-18.5 cw(c11.325,-20.13) 12.477,-18.977 13.758,-20.258 ccw(c14.342,-19.674) 14.342,-20.5 18.143,-20.5 cw(c18.143,-24.987) 21.25,-21.75 26.75,-26.25 ccw(c27.372,-25.49) 28.066,-26.184 30,-24.25 33.75,-18.75 36.25,-12.75 36.25,-11.75 ccw(c35.25,-11.75) 35.25,-10.75 33.25,-10.75 cw(c33.25,-8) 30.5,-8 30.5,12.5 ccw(c29.75,12.5) 29.75,13.25 cw(c29.75,16.5) 26.5,16.5 26.5,27.043 ccw(c24.796,27.044) 26,28.25 21.75,31.75 16.75,34.75 13.519,36.096 ccw(c1.501,7.257) 1.5,38.5 0,38.5 ccw(c0,36) -2.5,36 -2.5,26.5 ccw(c-1.75,26.5) -1.75,25.75 -1.249,25.75 cw(c-1.249,25.251) -0.75,25.251 -0.75,9.75 ccw(c1,9.75) 1,8 cw(c1.001,1.001) 8,1 8,0 cw(c0.001,-0.001) 0,-8 -4.125,-8 ccw(c-4.125,-8.875)
DGND on Mid Layer 3 "Mid3 Layer - DGND" (solid, remove dead copper, pour order 130): -5,-16 1.875,-16 cw(c1.875,-16.625) 2.5,-16.625 2.5,-18.625 ccw(c3.375,-18.625) 3.375,-19.5 10.325,-19.5 cw(c10.325,-21.685) 11.87,-20.14 13.112,-21.382 ccw(c14.321,-20.174) 14.321,-21.883 18.533,-21.883 cw(c18.533,-24.833) 20.28,-22.456 21.889,-23.638 25.598,-27.328 26.001,-27.869 cw(c25.454,-28.276) 25.89,-28.799 23.267,-30.983 cw(c-0.787,1.073) 16.34,-35.16 cw(c2.463,-5.808) 11.088,-37.108 cw(c12.768,-33.689) 9.159,-34.909 4.25,-30 -0.432,-30 ccw(c-0.433,-34.317) -4.75,-34.318 -4.75,-37.5 cw(c-5.249,-37.501) -5.25,-38 -9.5,-37.25 -16.25,-34.75 -21.5,-31.75 -27,-27 -30.5,-23 -34,-17.75 -36.75,-10.25 -37.25,-9 -32,-9 ccw(c-32,-6.5) -29.5,-6.5 -29.5,4.75 ccw(c-31.749,4.751) -31.75,7 -37.75,7 -37,10.75 -35.75,14 -35,15.25 -34.515,14.765 ccw(c-31.461,17.818) -31.461,13.5 -31,13.5 ccw(c-31,17.75) -26.75,17.75 -26.75,18.732 ccw(c-31.014,18.734) -28,21.75 cw(c-26.792,22.957) -28.5,22.957 -28.5,24.75 cw(c-26.086,24.75) -27.793,26.457 -26.75,27.5 -22.75,31 -18.75,33.5 -15,35.5 -11.75,36.75 -7.678,37.708 -5.5,38 -5.128,38.05 cw(c-5.055,37.5) -4.5,37.5 -4.5,34 -4.5,24 ccw(c-4,24) -4,23.5 -3.25,23.5 cw(c-3.25,23) -2.75,23 -2.75,9 cw(c-3.844,8.999) -3.656,7.921 ccw(c-2.751,2.751) -8,2.75 -8,-2.586 ccw(c-4.586,-2.586) -6.586,-5.353 cw(c-7.413,-6.499) -6,-6.5 -6,-15 ccw(c-5,-15)
PGND on Bottom Layer "Bottom Layer - PGND" (solid, remove dead copper, pour order 120): -5,-8.875 -5,-14.125 ccw(c-4.125,-14.125) -4.125,-15 2.875,-15 cw(c2.875,-15.682) 3.557,-15.682 3.557,-18.182 ccw(c3.875,-18.182) 3.875,-18.5 11.325,-18.5 cw(c11.325,-20.13) 12.477,-18.977 13.758,-20.258 ccw(c14.342,-19.674) 14.342,-20.5 18.5,-20.5 19.948,-20.5 21.25,-21.75 26.75,-26.25 ccw(c27.372,-25.49) 28.066,-26.184 30,-24.25 33.75,-18.75 36.25,-12.75 36.25,-11.75 ccw(c35.25,-11.75) 35.25,-10.75 33.25,-10.75 cw(c33.25,-8) 30.5,-8 30.5,12.5 ccw(c29.75,12.5) 29.75,13.25 cw(c29.75,16.5) 26.5,16.5 26.5,27.043 ccw(c24.796,27.044) 26,28.25 21.75,31.75 16.75,34.75 13.519,36.096 ccw(c1.501,7.257) 1.5,38.5 0,38.5 ccw(c0,36) -2.5,36 -2.5,26.5 ccw(c-1.75,26.5) -1.75,25.75 -1.249,25.75 cw(c-1.249,25.251) -0.75,25.251 -0.75,9.75 ccw(c1,9.75) 1,8 cw(c1.001,1.001) 8,1 8,0 cw(c0.001,-0.001) 0,-8 -4.125,-8 ccw(c-4.125,-8.875)
DGND on Bottom Layer "Bottom Layer - DGND" (solid, remove dead copper, pour order 118): -5,-16 1.875,-16 cw(c1.875,-16.625) 2.5,-16.625 2.5,-18.625 ccw(c3.375,-18.625) 3.375,-19.5 10.325,-19.5 cw(c10.325,-21.685) 11.87,-20.14 13.112,-21.382 ccw(c14.321,-20.174) 14.321,-21.883 20.532,-21.883 cw(c20.533,-22.282) 20.815,-22 24.02,-25.205 26.001,-27.869 cw(c25.454,-28.276) 25.89,-28.799 23.267,-30.983 cw(c-0.788,1.076) 16.34,-35.16 cw(c2.462,-5.805) 11.088,-37.108 cw(c12.768,-33.689) 9.159,-34.909 4.25,-30 -0.432,-30 ccw(c-0.433,-34.317) -4.75,-34.318 -4.75,-37.5 cw(c-5.249,-37.501) -5.25,-38 -9.5,-37.25 -16.25,-34.75 -21.5,-31.75 -27,-27 -30.5,-23 -34,-17.75 -36.75,-10.25 -37.25,-9 -32,-9 ccw(c-32,-6.5) -29.5,-6.5 -29.5,4.75 ccw(c-31.749,4.75) -31.75,7 -37.75,7 -37,10.75 -35.75,14 -35,15.25 -34.515,14.765 ccw(c-31.461,17.818) -31.461,13.5 -31,13.5 ccw(c-31,17.75) -26.75,17.75 -26.75,18.732 ccw(c-31.015,18.734) -28,21.75 cw(c-26.792,22.957) -28.5,22.957 -28.5,24.75 cw(c-26.086,24.75) -27.793,26.457 -26.75,27.5 -22.75,31 -18.75,33.5 -15,35.5 -11.75,36.75 -7.678,37.708 -5.5,38 -5.128,38.05 cw(c-5.055,37.5) -4.5,37.5 -4.5,34 -4.5,24 ccw(c-4,24) -4,23.5 -3.25,23.5 cw(c-3.25,23) -2.75,23 -2.75,9 cw(c-3.844,8.999) -3.656,7.921 ccw(c-2.751,2.751) -8,2.75 -8,-2.586 ccw(c-4.586,-2.586) -6.586,-5.353 cw(c-7.414,-6.499) -6,-6.5 -6,-15 ccw(c-5,-15)